# Altium PCB FINAL_PCB_VER0.PcbDoc (part 4 of 4)
Units mil, origin at the board's own origin, x right, y up, seen from the top; angles counter-clockwise.
Board outline 5316 x 3950 mil, 2 copper layers (Top Layer, Bottom Layer); 360 components, 279 nets, 1195 pads, 726 vias.
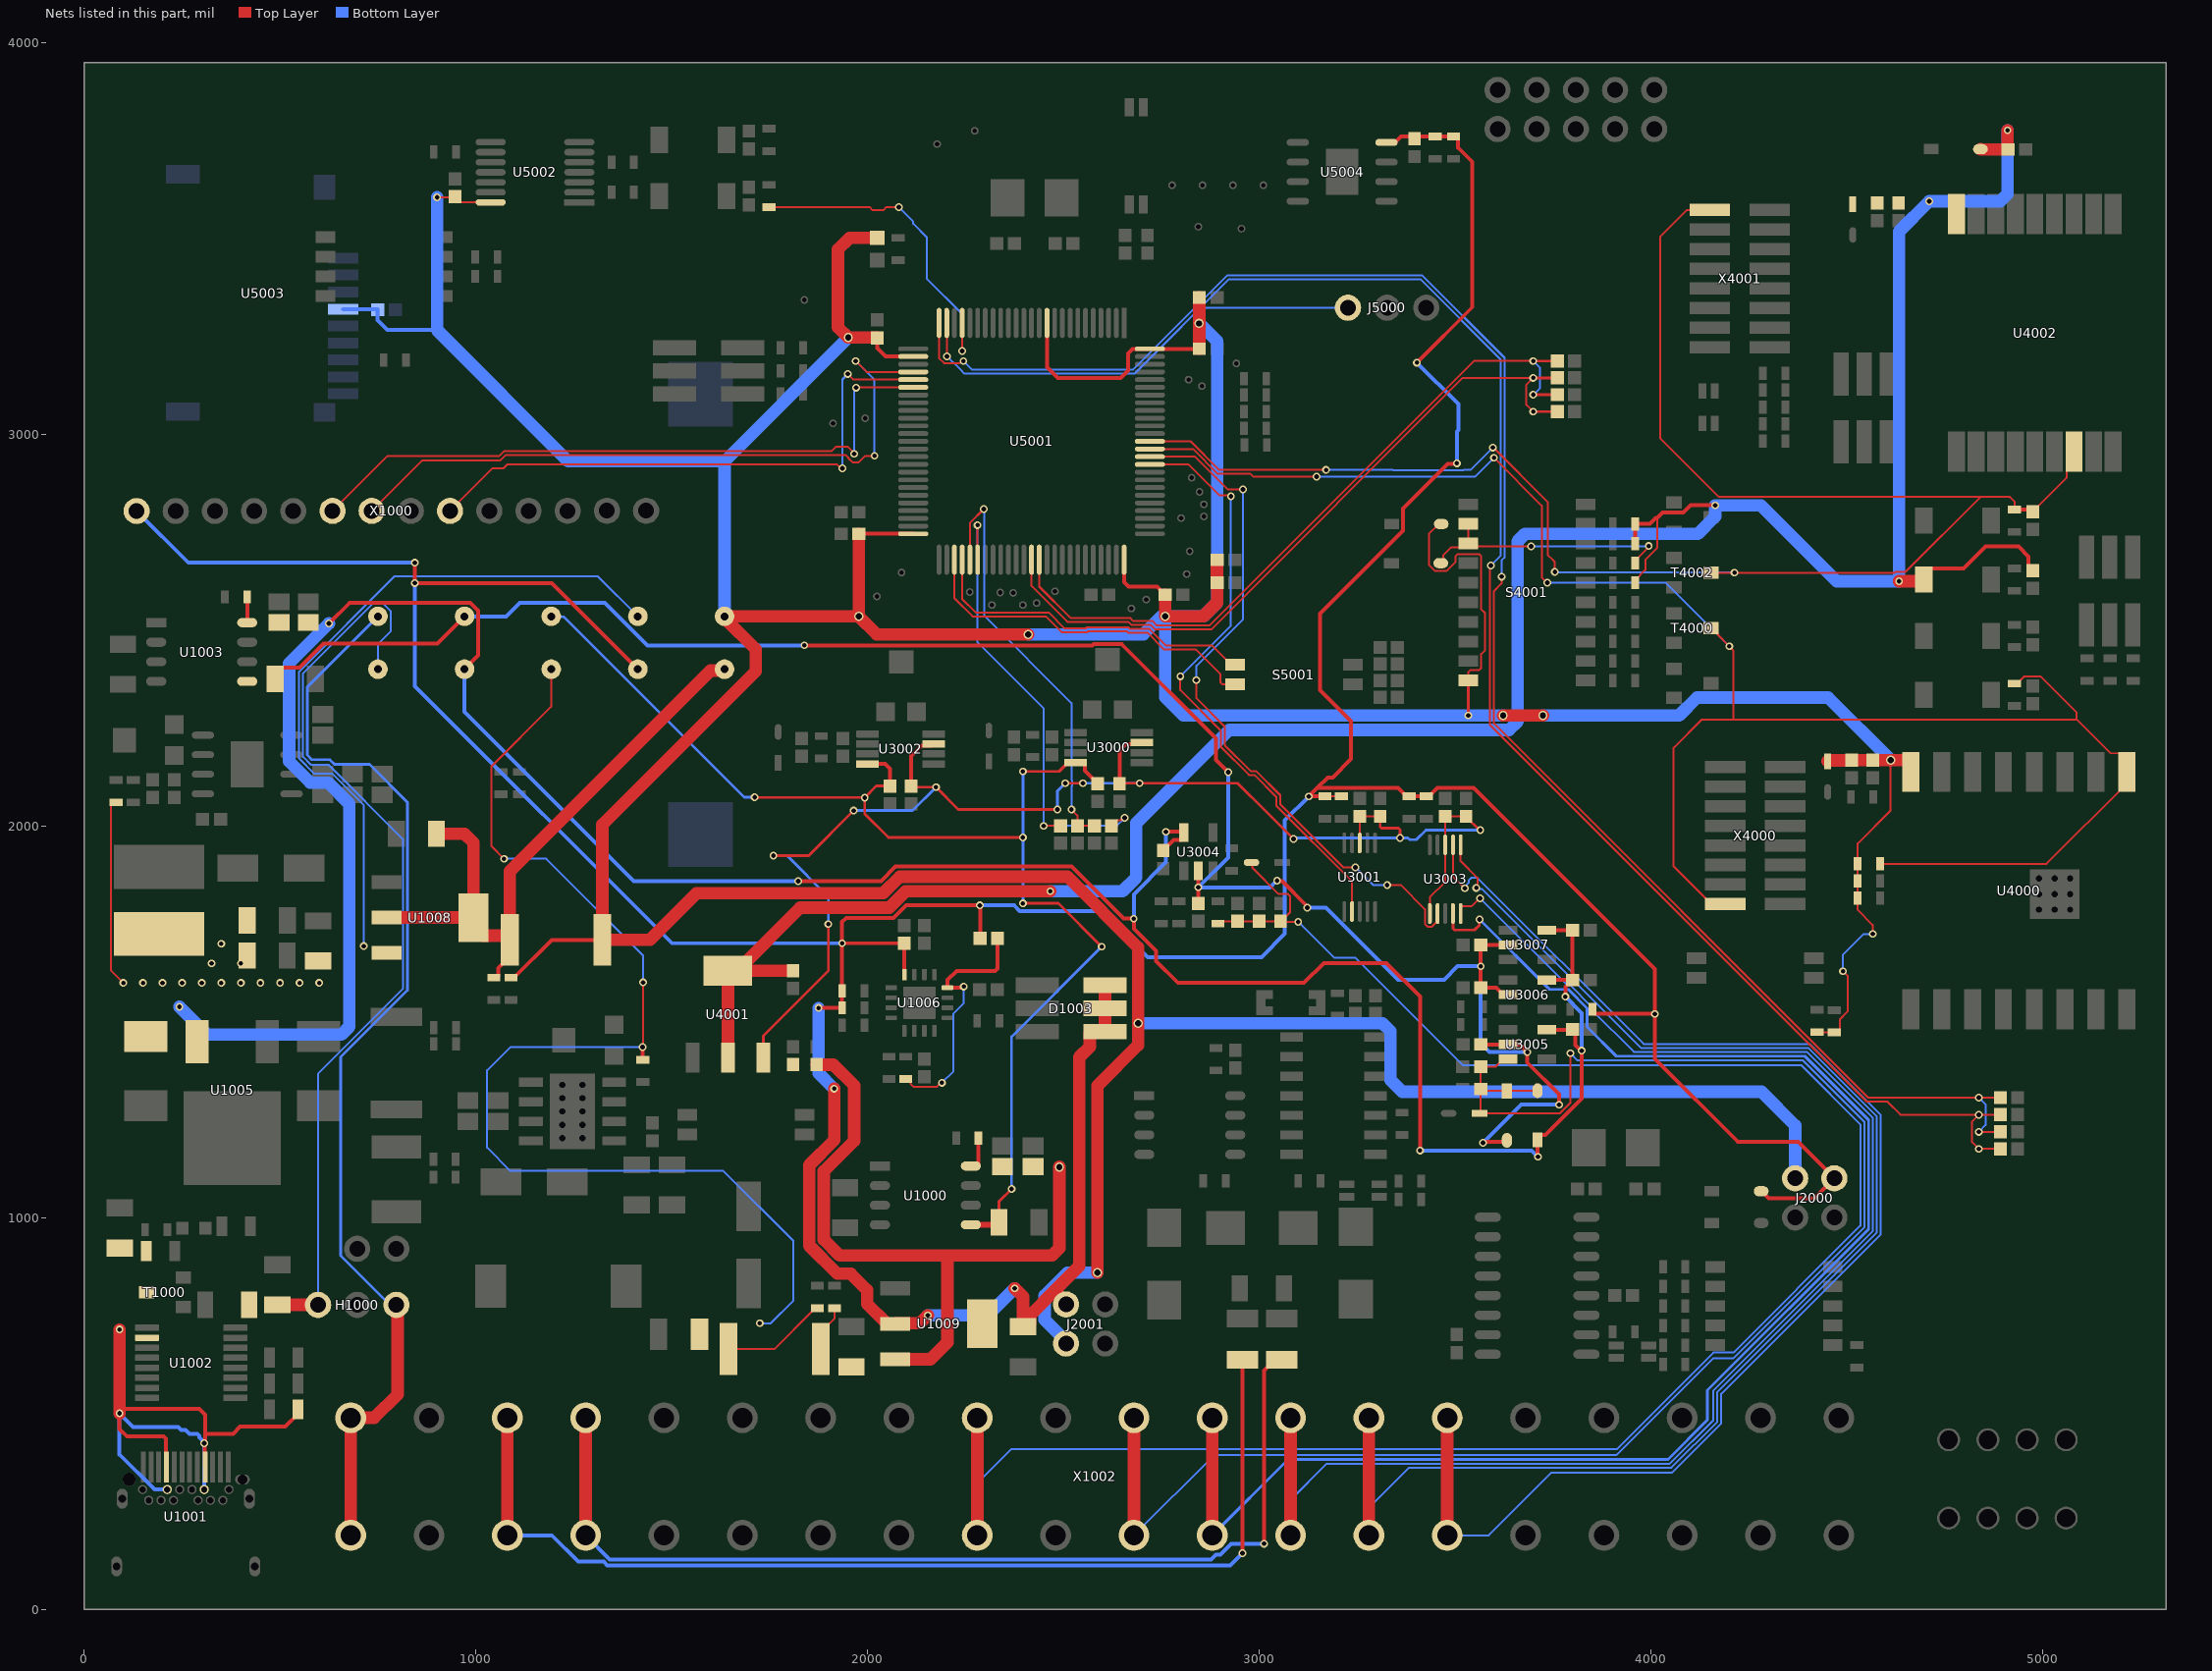
[diagram p4: the nets of this part, all layers, seen from the top]

## Via types
v1: diameter 19.68, hole 11.81, Top Layer to Bottom Layer, tented both sides, 687 vias
v2: diameter 19.68, hole 11.81, Top Layer to Bottom Layer, 18 vias
v3: diameter 23.62, hole 15.75, Top Layer to Bottom Layer, 9 vias
v4: diameter 23.62, hole 15.75, Top Layer to Bottom Layer, tented both sides, 7 vias
v5: diameter 236.22, hole 122.05, Top Layer to Bottom Layer, 3 vias
v6: diameter 31.5, hole 19.68, Top Layer to Bottom Layer, 2 vias

## Nets (pads, with @x,y where several pads share a name; then routed paths per layer and width w, separated by ;. In a path a pad name is that pad's centre, name@x,y a point inside that pad or via, vN(x,y) a via of type N, cw(c..) or ccw(c..) an arc to the next point about the centre after c; other vN are vias at no path point) (continued)
PD4: U3001.2 U5001.85 | length 1543.9
  Top Layer w5: U5001.85@2721.18,2923.94 2819.99,2923.94 2898.93,2845 2925.66,2845 v1(2928,2842.66) ; v1(2799,2383) 2799,2348 2902.5,2244.5 2902.5,2202.75 2974.25,2131 2988.25,2131 3044.13,2075.13 3044.13,2052.32 3237.31,1859.13 U3001.2@3237.31,1782.4
  Bottom Layer w5: v1(2799,2383) 2928,2512 v1(2928,2842.66)
PD5: U3003.2 U5001.86 | length 1801.3
  Top Layer w5: U5001.86@2721.18,2943.63 2836.63,2943.63 2890.26,2890 2890.78,2890 2920.78,2860 v1(2959,2860) ; v1(2840,2373) 2840,2326.86 2912.5,2254.36 2912.5,2206.89 2978.39,2141 2992.39,2141 3054.13,2079.27 3054.13,2056.47 3215.59,1895 v1(3246,1895) ; v1(3327,1850) 3361.44,1850 3423.59,1787.86 3423.59,1750.6 3430.86,1743.33 3441.15,1743.33 3451.15,1753.33 3451.96,1753.33 3455.69,1757.06 U3003.2@3455.69,1777.4
  Bottom Layer w5: v1(2840,2373) 2840,2409.86 2959,2528.86 v1(2959,2860) ; v1(3246,1895) 3291,1850 v1(3327,1850)
RESET_ESP: R4002.1 R4006.2 T4000.3 U4000.1 U5001.87 X4000.15 | length 4796.4
  Top Layer w5: U5001.87@2721.18,2963.32 2831.08,2963.32 2894.4,2900 2977.95,2900 2985.29,2892.66 v1(3147,2892.66) ; v1(3599.66,2941) 3722,2818.66 3722,2635.62 v1(3735.81,2621.81) ; T4000.3@4154,2506.33 4157.94,2506.33 4171.19,2493.09 4171.19,2489.15 v1(4200.65,2459.69) 4211,2449.33 4211,2272.79 ; X4000.15@4190.49,1801.17 4154.67,1801.17 4058.42,1897.41 4058.42,2200.26 4130.95,2272.79 4211,2272.79 ; R4002.1@4585.54,1904 5010.44,1904 5215.62,2109.17 U4000.1@5215.62,2138.7 5215.62,2168.23 5197.46,2186.38 5174.05,2186.38 5087.65,2272.79 ; R4006.2@4929,2364.25 4935.89,2364.25 4954.46,2382.81 4995.09,2382.81 5087.65,2290.26 5087.65,2272.79 ; 4211,2272.79 5087.65,2272.79
  Bottom Layer w5: v1(3147,2892.66) 3551.32,2892.66 v1(3599.66,2941) ; v1(3735.81,2621.81) 4038.52,2621.81 v1(4200.65,2459.69)
RESET_LORA: C4004.1 R4017.1 T4002.3 U4002.16 U5001.88 X4001.16 | length 4449.9
  Top Layer w5: U5001.88@2721.18,2983 2825.54,2983 2898.54,2910 v1(3171,2910) ; v1(3597,2967) 3598.18,2967 3737,2828.18 3737,2692.81 3749.93,2679.88 3755.19,2674.62 v1(3755.19,2649.81) ; X4001.16@4151.24,3573.58 4092.17,3573.58 4024,3505.41 4024,2991.56 4174.56,2841 4841.78,2841 ; T4002.3@4154,2647.67 v1(4214.02,2647.67) 4622.43,2647.67 4624.27,2649.5 4650.78,2649.5 4842.28,2841 4917,2841 ; 4917.35,2840.65 4929,2829 R4017.1@4929,2808.81 ; C4004.1@4976,2802.99 4976,2803.89 5061.85,2889.74 5061.85,2937.7 U4002.16@5081,2956.85
  Top Layer w10: R4017.1@4929,2808.81 4970.17,2808.81 C4004.1@4976,2802.99
  Bottom Layer w5: v1(3171,2910) 3341.63,2910 3342.97,2908.66 3521.18,2908.66 3522.53,2910 3540,2910 v1(3597,2967) ; v1(3755.19,2649.81) 3756.26,2648.74 4212.95,2648.74 v1(4214.02,2647.67)
RS485A: F2000.1 X1002.3 | length 2715.1
  Top Layer w10: v1(2957.5,144) F2000.1@2957.5,637.5
  Top Layer w32: X1002.3@1080.47,189.5 X1002.3@1080.47,489.5
  Bottom Layer w10: X1002.3@1080.47,189.5 1193.5,189.5 1261,122 1326.76,122 1335.76,113 2926.5,113 v1(2957.5,144)
RS485B: F2001.1 X1002.4 | length 2572.8
  Top Layer w10: v1(3013,168) 3013,610.5 3040,637.5 F2001.1@3057.5,637.5
  Top Layer w32: X1002.4@1280.47,189.5 X1002.4@1280.47,489.5
  Bottom Layer w10: X1002.4@1280.47,189.5 1341.97,128 2877.65,128 2889.78,140.13 2900.92,140.13 2928.79,168 v1(3013,168)
RXD1: D4003.1 R4016.2 S4001.2 S4001.3 | length 671
  Top Layer w5: D4003.1@3464.01,2672 3469.74,2677.72 3469.74,2691.74 3490.04,2712.04 3524.63,2712.04 S4001.3@3534.59,2722 ; S4001.2@3534.59,2772 S4001.3@3534.59,2722 ; v1(3694.66,2715) 3541.59,2715 S4001.3@3534.59,2722 ; R4016.2@3960.54,2672 3960.54,2678.89 3995,2713.34 v1(3995,2715.66)
  Bottom Layer w5: v1(3694.66,2715) 3694.99,2715.33 3994.67,2715.33 v1(3995,2715.66)
SPI1_MISO: U5001.30 X1000.9 | length 1475.1
  Top Layer w5: X1000.9@934.05,2805.26 1043.05,2914.26 1071.07,2914.26 1081.07,2924.26 1921.77,2924.26 1932.03,2914 v1(1936,2914) ; v1(1950,3155) 1964.52,3140.48 U5001.30@2116.82,3140.48
  Bottom Layer w5: v1(1936,2914) 1936,3141 v1(1950,3155)
SPI1_MOSI: U5001.31 X1000.6 | length 1725.6
  Top Layer w5: X1000.6@634.05,2805.26 774.76,2945.97 1060.35,2945.97 1071.84,2957.46 1907.71,2957.46 1919.2,2968.95 1950.13,2968.95 1966,2953.08 v1(1966,2951) ; v1(1971,3120) 1971.4,3120.4 2116.42,3120.4 U5001.31@2116.82,3120.8
  Bottom Layer w5: v1(1966,2951) 1966,3111.03 1971,3116.03 v1(1971,3120)
SPI1_SCK: U5001.29 X1000.7 | length 1778.8
  Top Layer w5: X1000.7@734.05,2805.26 863.05,2934.26 1062.78,2934.26 1075.98,2947.46 1945.01,2947.46 1952.24,2940.24 1952.24,2938.79 1962.4,2928.63 1976.77,2928.63 1994.11,2945.97 v1(2017.93,2945.97) ; v1(1970,3188) 1997.83,3160.17 U5001.29@2116.82,3160.17
  Bottom Layer w5: v1(1970,3188) 2017.93,3140.07 v1(2017.93,2945.97)
USART1_RX: S5001.1 U5001.54 | length 870
  Top Layer w5: U5001.54@2241.83,2680.82 2241.83,2580.17 2276.34,2545.66 2462.84,2545.66 2503.5,2505 2556.77,2505 2559.76,2507.99 2666.24,2507.99 2669.57,2504.66 2718.77,2504.66 2762.18,2461.25 2880.01,2461.25 2929.1,2412.15 S5001.1@2939.14,2412.15
USART1_TX: S5001.2 U5001.53 | length 922
  Top Layer w5: U5001.53@2222.15,2680.82 2222.15,2581.85 2268.34,2535.66 2455.77,2535.66 2496.43,2495 2560.91,2495 2563.9,2497.99 2662.1,2497.99 2665.43,2494.66 2714.63,2494.66 2758.04,2451.25 2838.96,2451.25 2901,2389.21 2901,2367.8 2906.64,2362.15 S5001.2@2939.14,2362.15
USART2_RX: SB5001.2 SB5003.2 U5001.25 | length 4528.5
  Top Layer w5: U5001.25@2182.78,3285.18 2182.78,3195.69 2195.82,3182.66 2235.68,3182.66 2241.03,3188 v1(2245,3188) ; v1(3619.32,2637.34) 3619,2637.03 3619,2620 3599.66,2600.66 3599.66,2262.62 4555.28,1307 v1(4838,1307) SB5001.2@4893,1307 ; v1(4838,1219.73) SB5003.2@4893,1219.73
  Bottom Layer w5: v1(2245,3188) 2267.34,3165.66 2677.63,3165.66 2886.94,3374.96 2918.97,3407 3416.07,3407 3627,3196.07 3627,2755.14 3626.66,2754.8 3626.66,2686.52 3619.32,2679.17 v1(3619.32,2637.34) ; v1(4838,1219.73) 4855.34,1237.07 4855.34,1289.66 v1(4838,1307)
USART2_TX: SB5000.2 SB5002.2 U5001.24 | length 4512.4
  Top Layer w5: U5001.24@2202.46,3285.18 2202.73,3284.92 2202.73,3200.27 v1(2203,3200) ; v1(3592,2666) 3589.66,2663.66 3589.66,2258.48 4551.13,1297 4604,1297 4637.64,1263.36 v1(4838,1263.36) ; v1(4838,1176.09) 4820.66,1193.44 4820.66,1246.02 v1(4838,1263.36) ; v1@4845.69,1176.09 SB5002.2@4893,1176.09 ; SB5000.2@4893,1263.36 v1(4838,1263.36)
  Bottom Layer w5: v1(2203,3200) 2218.67,3184.33 2219.46,3184.33 2241.33,3162.46 2241.33,3161.67 2247.34,3155.66 2681.77,3155.66 2923.11,3397 3411.93,3397 3617,3191.93 3617,2759.28 3616.66,2758.94 3616.66,2690.66 v1(3592,2666)
USART3_RX: SB5004.1 SB5007.1 U5001.56 | length 1227.3
  Top Layer w5: v1(2281,2769) 2281.1,2768.9 2281.1,2680.92 U5001.56@2281.2,2680.82 ; v1(2450,2001) SB5007.1@2493,2001 ; SB5004.1@2623,2001 2637.23,2015.23 2646.71,2015.23 2653.03,2021.55 v1(2657,2021.55)
  Bottom Layer w5: v1(2281,2769) 2281,2469.5 2450,2300.5 v1(2450,2001) 2636.45,2001 v1(2657,2021.55)
USART3_TX: SB5005.1 SB5006.1 U5001.55 | length 1096.5
  Top Layer w5: U5001.55@2261.52,2680.82 2261.52,2774.52 v1(2297,2810) ; v1(2521,2043) 2536.33,2027.67 SB5006.1@2536.33,2001 SB5005.1@2579.67,2001
  Bottom Layer w5: v1(2297,2810) 2298.34,2808.66 2298.34,2537.16 2521,2314.5 2521,2118.53 2522.34,2117.18 2522.34,2102.82 2521,2101.47 v1(2521,2043)
USART6_RX: SB5013.2 SB5015.2 U5001.64 | length 1875.6
  Top Layer w5: U5001.64@2438.69,2680.82 2438.69,2611.93 2518.61,2532 2670.51,2532 2677.86,2524.66 2727.05,2524.66 2739.21,2512.5 2873.39,2512.5 3548.89,3188 v1(3700,3188)
  Top Layer w7: v1(3700,3102) SB5013.2@3762,3102 ; v1(3700,3188) SB5015.2@3762,3188
  Bottom Layer w5: v1(3700,3102) 3717.34,3119.34 3717.34,3170.66 v1(3700,3188)
USART6_TX: SB5012.2 SB5014.2 U5001.63 | length 1884.7
  Top Layer w5: U5001.63@2419,2680.82 2419,2613.61 2510.61,2522 2666.37,2522 2673.71,2514.66 2722.91,2514.66 2735.07,2502.5 2877.54,2502.5 3520.04,3145 v1(3700,3145) 3682.66,3127.66 3682.66,3076.34 v1(3700,3059)
  Top Layer w7: v1(3700,3059) SB5012.2@3762,3059 ; v1(3700,3145) SB5014.2@3762,3145
USER_BUTTON: R5008.1 U5001.22 | length 843.8
  Top Layer w5: R5008.1@1749,3580.96 R5008.1@1749,3580.96 2005.03,3581 2013.03,3573 2040.53,3573 2048.53,3581 v1(2080,3581) ; v1(2241.87,3213.53) U5001.22@2241.85,3285.16
  Bottom Layer w5: v1(2080,3581) 2116.91,3544.09 2116.91,3538.59 2151,3504.5 2151,3398.72 2241.87,3307.84 v1(2241.87,3213.53)
VBUS: C1005.1 R1000.1 R1003.2 T1000.3 U1001.A4 U1001.A9 U1001.B4 U1001.B9 U1002.2 | length 1718.3
  Top Layer w10: U1001.A4@210.1,365.86 208.8,367.16 208.8,436.14 202.94,442 109,442 90,461 v1(90,501) 90.68,501 101.68,512 294,512 309.14,496.86 309.14,448.85 ; v1(306.56,424.64) 307.54,423.65 307.54,368.07 U1001.A9@309.14,366.47 ; v1@309.14,424.64 309.14,448.85 ; R1003.2@545.42,511 545.42,499.19 513.04,466.81 397.97,466.81 380,448.85 309.14,448.85
  Top Layer w32: v1(90,501) 90,512 v1(90,715)
  Bottom Layer w10: U1001.B9@212.07,306.41 179.92,306.41 90,396.33 v1(90,501) 125,466 240.01,466 247.82,458.19 259.26,458.19 268.61,448.85 288.56,448.85 294.42,442.99 294.42,439.4 306.56,427.26 v1(306.56,424.64) U1001.B4@306.56,306.41
VCC_0-10_A: C3012.2 C3013.2 C3014.1 R3008.1 TVS3000.2 X1002.9 | length 5293.1
  Top Layer w5: R3008.1@2895,1751.46 2901.89,1751.46 2907.72,1757.28 C3013.2@2945,1757.28 C3014.1@3000,1757.28 C3012.2@3055,1757.28 ; TVS3000.2@2980.71,1907.48 2982.67,1905.52 2982.67,1894.33 3049.89,1827.11 3074.09,1827.11 3078.91,1822.29 3078.91,1779.61 3068.48,1769.18 3065.99,1769.18 3055,1758.19 C3012.2@3055,1757.28 ; v1(3100,1756) 3056.28,1756 C3012.2@3055,1757.28
  Top Layer w32: X1002.9@2280.47,189.5 X1002.9@2280.47,489.5
  Bottom Layer w5: X1002.9@2280.47,189.5 2280.47,322.47 2367,409 3912.86,409 4160.18,656.32 4211.83,656.32 4535.5,979.99 4535.5,1238.59 4384.09,1390 3520,1390 3245.5,1664.5 3191.5,1664.5 v1(3100,1756)
VCC_3V3_LORA: B4003.2 C4007.1 C4008.1 C4009.2 C4010.1 C4011.1 D4005.1 D4007.1 R4019.2 R4020.2 R4021.2 U4001.2 U4002.9 | length 6674.1
  Top Layer w5: R4020.2@3960.54,2622 3960.54,2628.89 3986.31,2654.65 3986.31,2680.53 4017,2711.22 4017,2787
  Top Layer w10: R4019.2@3960.54,2722 R4021.2@3960.54,2772 3998.31,2772 4013.31,2787 4017,2787 4030.65,2800.65 4083.34,2800.65 4102.28,2819.59 v1(4164.97,2819.59) ; B4003.2@4697.99,2630 4697.99,2640.83 4715.63,2658.46 4799.16,2658.46 4855.5,2714.81 4939.03,2714.81 4965.01,2688.83 4965.01,2663.7 C4009.2@4976,2652.72
  Top Layer w32: U4001.2@1643.75,1408.78 U4001.2@1643.75,1631.22 U4001.2@1667.37,1631.22 ; C4007.1@1810,1631.22 U4001.2@1667.37,1631.22 ; v1(2467,1834) 2097.7,1834 2055.7,1792 1828.15,1792 U4001.2@1667.37,1631.22 ; v1(4634,2626) 4693.99,2626 B4003.2@4697.99,2630 ; D4005.1@4842.01,3729 4843.01,3728 C4008.1@4912.28,3728 ; C4008.1@4911.28,3729 v1(4911.28,3777)
  Bottom Layer w32: v1(2467,1834) 2651,1834 2686,1869 2686,2008 2924,2246 3638.48,2246 3660.16,2267.67 3660.16,2727.75 3678.9,2746.5 4120.47,2746.5 4164.97,2791 v1(4164.97,2819.59) 4281.41,2819.59 4475,2626 v1(4634,2626) 4634,3519 v1(4711,3596) 4892.39,3596 4911.13,3614.75 ; 4911.28,3614.9 v1(4911.28,3777)
VCC_3V3_REF: C1032.1 R1010.2 R1011.2 TP1000.1 U1008.2 | length 1700.4
  Top Layer w10: R1010.2@1046,1613.54 1052.89,1613.54 1057.73,1618.39 1057.73,1637.61 1086.81,1666.69 R1011.2@1086.81,1710
  Top Layer w32: U1008.2@771.78,1767 U1008.2@994.22,1767 ; C1032.1@899.21,1981 971,1981 994.22,1957.78 U1008.2@994.22,1767 ; R1011.2@1086.81,1710 R1011.2@1086.81,1714.19 ; TP1000.1@1635,2401.05 1631.56,2397.6 1599.6,2397.6 1086.81,1884.81 R1011.2@1086.81,1714.19 ; U1008.2@994.22,1767 994.22,1743.38 1016.61,1720.99 1080.01,1720.99 R1011.2@1086.81,1714.19
VCC_3V3_REF_A: B5000.1 C4002.1 C4003.1 C5000.1 C5001.1 C5002.1 C5003.1 C5004.1 C5005.1 C5006.1 C5015.1 C5017.1 D4000.1 D4002.1 J2000.2 J2001.2 J5000.3 R1011.1 R1012.2 R4001.2 R4002.2 R4003.2 R4004.2 R4005.2 S4001.10 TP1008.1 U4000.8 U5001.11 U5001.27 U5001.50 U5001.75 U5001.100 U5002.14 U5003.4 | length 16988.6
  Top Layer w5: v1(901,3606) 945.72,3606 C5017.1@947,3607.28 947,3606.76 960.49,3593.28 U5002.14@1037.8,3593.28 ; D4000.1@3465.01,2772 3459.2,2772 3433.66,2746.45 3433.66,2667.49 3449.7,2651.46 3478.33,2651.46 3502.09,2675.22 3502.09,2690.06 3506.48,2694.46 3562.7,2694.46 3567.09,2690.06 3567.09,2554.21 3577.09,2544.21 3577.09,2449.79 3567.09,2439.79 3567.09,2403.93 3562.35,2399.19 3539.33,2399.19 3534.59,2394.46 S4001.10@3534.59,2372 ; R4005.2@4425,1474.46 4426,1473.46 R4004.2@4469,1473.46 4475.89,1473.46 4483.23,1480.8 4483.23,1507.59 4503,1527.36 4503,1618 v1(4491,1630) ; v1(4567,1725) 4567,1748 4528.46,1786.54 R4001.2@4528.46,1817 R4003.2@4528.46,1860.5 R4002.2@4528.46,1904 4528.46,1955.99 4612.85,2040.39 v4(4612.85,2169.12)
  Top Layer w7: v1(3534.45,2283) 3534.45,2371.86 S4001.10@3534.59,2372
  Top Layer w10: R1012.2@1090,1613.54 1096.89,1613.54 1193.35,1710 R1011.1@1323.19,1710 ; C5000.1@1977.72,2746.78 U5001.50@2116.82,2746.78 ; C5001.1@2025,3247.01 2025,3221 2046.02,3199.98 2116.38,3199.98 U5001.27@2116.82,3199.54 ; U5001.11@2458.37,3285.18 2458.81,3284.74 2458.81,3172.19 2486,3145 2646.96,3145 2665.06,3163.1 2665.06,3207.06 2677.22,3219.22 U5001.100@2721.18,3219.22 C5003.1@2847.28,3219.22 ; U5001.75@2655.22,2680.82 2655.22,2623.78 2667,2612 2739.01,2612 2748.39,2602.62 2748.39,2601.99 2759.38,2591 C5002.1@2760.01,2591
  Top Layer w32: C5000.1@1977.72,2746.78 v3(1977.72,2536.05) ; C5001.1@2025,3247.28 2025,3247.99 v3(1951,3248) 1925,3274 1925,3473 1954.54,3502.54 B5000.1@2025,3502.54 ; v3(2410.15,2490) 2023.76,2490 v3(1977.72,2536.05) ; v4(2587.16,860) 2587.16,1337.16 2691,1441 2691,1691 2511,1871 2082.37,1871 2040.37,1829 1564,1829 1445,1710 R1011.1@1323.19,1710 1323.19,2004.19 1715,2396 1715,2451.18 1635,2531.18 TP1008.1@1635,2536.05 v3(1977.72,2536.05) ; C5002.1@2760.28,2591 2760.01,2591 v3(2760,2536) 2858,2536 2893,2571 2893,2621.98 C5005.1@2892.72,2622 ; C5003.1@2847.28,3219.22 2847.28,3283.72 v3(2847,3284) 2847.28,3284.28 C5004.1@2847.28,3350 ; C5005.1@2892.72,2622 C5006.1@2892.72,2680 ; v4(3623.16,2283) v4(3724.77,2283) ; D4002.1@4451.92,2166.08 4454.06,2168.22 C4003.1@4512.9,2168.22 ; C4003.1@4512.92,2168.24 C4003.1@4512.92,2169.12 C4002.1@4566.92,2169.12 v4(4612.85,2169.12) 4658.78,2169.12 4664.44,2163.46 U4000.8@4664.44,2138.7
  Bottom Layer w5: v3(2847,3284) 2847,3306.74 2864.26,3324 J5000.3@3227,3324 ; v1(4491,1630) 4491,1672.1 4543.9,1725 v1(4567,1725)
  Bottom Layer w10: U5003.4@661.21,3320.74 748.45,3320.74 748.45,3292.23 773.68,3267 901,3267
  Bottom Layer w32: v1(901,3606) 901,3267 1236,2932 1635,2932 ; TP1008.1@1635,2536.05 1635,2932 ; v3(1951,3248) 1635,2932 ; v3(2410.15,2490) 2704.62,2490 2750.62,2536 v3(2760,2536) ; J2001.2@2507,679 2507,685.28 2452.54,739.74 2452.54,801.56 2510.98,860 v4(2587.16,860) ; v4(2691,1497) 3315.02,1497 3335.77,1476.25 3335.77,1351.75 3365.52,1322 4283,1322 4369,1236 J2000.2@4369,1101.11 ; v3(2847,3284) 2847.89,3284 2893,3238.89 2893,2571 2858,2536 v3(2760,2536) ; v4(3623.16,2283) v1(3534.45,2283) 2807,2283 2760,2330 v3(2760,2536) ; v4(3724.77,2283) 4072.57,2283 4118.48,2328.91 4453.05,2328.91 v4(4612.85,2169.12)
VCC_10-10: C3017.1 C3018.1 D3002.1 D3003.2 TVS3001.1 U3005.3 X1002.11 | length 4299.5
  Top Layer w5: U3005.3@3635.59,1405.6 3623.39,1405.6 3603.79,1386 C3018.1@3565.72,1386 C3017.1@3565.72,1329 ; D3002.1@3711,1325.01 3634,1325.01 D3003.2@3633,1324.01 3570.71,1324.01 C3017.1@3565.72,1329 ; v1(3795,1420.31) 3795,1293.47 3768.53,1267 TVS3001.1@3562.68,1267 3565.72,1270.03 C3017.1@3565.72,1329
  Top Layer w32: X1002.11@2680.47,189.5 X1002.11@2680.47,489.5
  Bottom Layer w5: X1002.11@2680.47,189.5 2884.97,394 3912,394 4159.32,641.32 4210.97,641.32 4545.5,975.85 4545.5,1245.56 4389.06,1402 3813.31,1402 v1(3795,1420.31)
VCC_+3V3: C1023.1 C1024.1 C1031.1 L1001.2 R1024.1 TP1001.1 U1008.3 | length 2287.2
  Top Layer w5: R1024.1@81.13,2060.93 75.42,2060.93 68.08,2053.59 68.08,1631.92 v1(100,1600)
  Bottom Layer w5: v1(714,1694) 714,2053.41 632.51,2134.9 586.96,2134.9 548.66,2173.2 548.66,2394.81 792.19,2638.34 1311.46,2638.34 TP1001.1@1413.75,2536.05
  other v1: 150,1600 200,1600 250,1600 300,1600 350,1600 400,1600 450,1600 500,1600 550,1600 600,1600 325,1650 400,1650 350,1700
VCC_+5_REF_A: C1020.1 C1034.1 C5016.1 D1003.1 D1003.3 D1003.5 D2005.1 J2000.4 J2001.4 R1027.1 R1028.1 R3000.2 R3001.2 R3004.2 R3005.2 R3010.1 R5030.1 R5031.1 SB1000.2 TP1009.1 U1006.4 U1009.2 U5004.8 X1000.1 | length 12319.3
  Top Layer w5: R3000.2@3168,2076.54 R3001.2@3210,2076.54
  Top Layer w10: v1(844,2673) v1(844,2621) 1193.8,2621 TP1009.1@1413.75,2401.05 ; v1(1875,1536) 1934.66,1536 R1028.1@1935.29,1536.63 v1(1935.29,1701.27) ; U1006.4@2094.19,1621.27 C1020.1@2094.19,1701.27 v1(1935.29,1701.27) ; SB1000.2@2288,1714 2288,1797 v1(2287,1798) 2098.47,1798 2066.47,1766 1946,1766 1935.29,1755.29 v1(1935.29,1701.27) ; v1(3127,2076) v1@3127.27,2076.27 ; R3000.2@3168,2076.54 3167.73,2076.27 v1@3127.27,2076.27 ; U5004.8@3325.28,3746 3347.05,3746 3362.37,3761.31 R5031.1@3496.7,3761.31 3503.59,3761.31 3508.43,3756.47 3508.43,3733.21 3544.84,3696.8 3544.84,3325.84 v1(3403,3184) ; v1(3505,2927) 3503.15,2925.15 3482,2925.15 3367.84,2810.99 3367.84,2754.81 3155.9,2542.87 3155.9,2346.9 3234.84,2267.95 3234.84,2171.78 3187.88,2124.82 3175.82,2124.82 3148.61,2097.61 ; R3010.1@3851.54,1525.71 3856.39,1520.87 3931.31,1520.87 v1(4010.72,1520.87) ; D2005.1@4282,1068 4283.46,1068 4295.32,1056.13 4295.32,1055.86 4301.18,1050 4417.89,1050 J2000.4@4469,1101.11 4376.11,1194 4223,1194 4010.72,1406.28 v1(4010.72,1520.87) ; v1@3127.27,2076.27 3148.61,2097.61 ; 3148.61,2097.61 3355.42,2097.61 3376.49,2076.54 3434.27,2076.54 3448.18,2090.45 3448.18,2090.54 3455.25,2097.61 3548.51,2097.61 4010.72,1635.4 v1(4010.72,1520.87)
  Top Layer w32: v1(1915,1330) 1915,1198.33 1851.41,1134.74 1851.41,929.06 1923.09,857.39 1957.61,857.39 1999,816 1999,780.56 U1009.2@2048.39,731.17 ; U1009.2@2070.78,729.45 2072.5,731.16 2134.16,731.16 v1(2154,751) ; v1(2376,820) 2397,799 C1034.1@2397,722.21 2408.84,722.21 2414.59,727.96 2414.59,750.59 2477.79,813.79 ; J2001.4@2507,779 2507,784.59 2477.79,813.79 ; D1003.1@2606.61,1594.06 D1003.3@2606.61,1535 D1003.5@2606.61,1475.94 2571.18,1475.94 2567.5,1472.26 2567.5,1436.83 2541,1410.33 2541,877 2477.79,813.79
  Bottom Layer w10: X1000.1@133.67,2804.98 265.65,2673 v1(844,2673) ; v1(844,2621) 844,2358 1500.73,1701.27 v1(1935.29,1701.27) ; v1(2287,1798) 2374.1,1798 2388.78,1783.32 2598.68,1783.32 2716,1666 3006,1666 3065.84,1725.84 3065.84,2014.84 v1(3127,2076) ; v1(3403,3184) 3508.84,3078.16 3508.84,3011.9 3505,3008.06 v1(3505,2927)
  Bottom Layer w32: v1(1875,1536) 1875,1370 v1(1915,1330) ; v1(2154,751) 2307,751 v1(2376,820)
VCC_+5V5: F1001.2 R1009.1 R1021.2 R1023.2 TP1004.1 | length 3318
  Top Layer w5: v1(1072,1917) 1039.77,1949.23 1039.77,2152.45 1192.5,2305.18 TP1004.1@1192.5,2401.05 ; v1(1426,1436) 1426.5,1436.5 1426.5,1600.84 v1(1427,1601.34) ; R1023.2@1644.81,665 1762,665 1858.77,761.77 1858.77,763.11 1865.11,769.46 R1021.2@1872,769.46
  Top Layer w10: v1(1426,1436) 1426,1404.49 R1009.1@1426.65,1403.84
  Bottom Layer w5: v1(1072,1917) 1179.67,1917 1427,1669.67 v1(1427,1601.34) ; v1(1426,1436) 1088,1436 1028.69,1376.69 1028.69,1179.62 1088.31,1120 1632,1120 1811,941 1811,789 1753,731 v1(1725,731)
VCC_+5V5_REF: C1000.1 C1001.1 C1033.1 C3002.1 C3004.1 C3005.1 C3008.1 C3010.1 C3011.1 C4005.1 C4006.1 R1001.2 R1023.1 R1025.2 U1000.8 U1009.3 U3000.7 U3001.8 U3002.7 U3003.1 U3003.8 U4001.3 | length 5654.9
  Top Layer w5: R1023.1@1881.19,665 1881.19,708.31 1916,743.12 R1025.2@1916,769.46 ; U3001.8@3257,1957.6 C3004.1@3257,2025.28 C3005.1@3309,2025.28 ; U3003.1@3436.01,1777.4 3436.01,1818.66 3475.38,1858.03 U3003.8@3475.38,1952.6 C3011.1@3475.38,2025.28 C3010.1@3528.38,2025.28
  Top Layer w7: U4001.3@1734.3,1408.78 1734.3,1465.19 1900,1630.89 v1(1900,1750) ; v1(1760,1925) 1850,1925 v1(1965,2040) ; C3008.1@2111.64,2102.72 2114.36,2100 v1(2175,2100) 2232,2043 v1(2485,2043) ; v1(2505,2110) v1(2550,2110) ; C3002.1@2643.86,2108.72 2645.14,2110 v1(2695,2110) 2945.47,2110 3017.65,2037.82 v1(3087.74,1967.74) ; C3005.1@3309,2025.28 3309,1999.1 3313.1,1995 3355.9,1995 3360,1990.9 v1(3360,1970) ; C3010.1@3528.38,2025.28 3528.38,2024.38 3562.76,1990 v1(3565,1990)
  Top Layer w10: C3008.1@2111.64,2102.72 2111.64,2179.17 2138.26,2205.79 2165.2,2205.79 U3002.7@2169.65,2210.23 ; U1000.8@2264,1132.41 2283.54,1132.41 R1001.2@2283.54,1203.41 ; C3002.1@2643.86,2108.72 2643.86,2193.86 2659.35,2209.35 2696.2,2209.35 U3000.7@2700.65,2213.8
  Top Layer w32: C4006.1@1870,1391.16 1912.84,1391.16 1966,1338 1966,1197 1888.41,1119.41 1888.41,944.39 1928.8,904 2204,904 ; U1009.3@2070.78,638.9 2160.9,638.9 2204,682 2204,904 ; v3(2490,1130) 2490,922.75 2471.25,904 2204,904
  Bottom Layer w7: v1(1760,1925) 1795,1925 1900,1820 v1(1900,1750) ; v1(1965,2040) 2115,2040 v1(2175,2100) ; v1(2485,2043) 2485,2090 v1(2505,2110) ; v1(2550,2110) v1(2695,2110) ; v1(3087.74,1967.74) 3090,1970 v1(3360,1970) 3380.34,1970 3384.69,1965.66 3401.6,1965.66 3425.94,1990 v1(3565,1990)
VCC_+12: C1006.1 C1007.1 C1011.2 C3015.1 C3019.1 C3021.1 C3023.1 D3002.2 R1006.2 TP1005.1 U1003.8 U1005.3 U3004.5 U3005.5 U3006.5 U3007.5 | length 7232.5
  Top Layer w10: R1006.2@416.09,2585.63 R1006.2@416.09,2585.63 U1003.8@416.14,2520 ; v1(624.71,2517.71) 678.05,2571.05 985.75,2571.05 1006.25,2550.55 1006.25,2436.05 TP1005.1@971.25,2401.05 ; v1(1823,1859.84) 2034.44,1859.84 2071.6,1897 2521.77,1897 2654.77,1764 v1(2680,1764) 2680,1738.77 2737.32,1681.45 2737.32,1655.62 2792.78,1600.16 3114.75,1600.16 3165.59,1651 3325,1651 3411,1565 v1(3411,1172) ; C3015.1@2755,1937.72 2755,1938.62 2781.97,1965.59 2800.98,1965.59 2807.6,1972.2 U3004.5@2807.6,1984.41 2806.01,1986 v1(2762,1986) ; v1(3712.07,1155.92) 3711.54,1156.45 3711.54,1198.46 D3002.2@3711,1198.99 3711,1203.91 3719.04,1211.95 3731.15,1211.95 3824,1304.8 v1(3824,1427) 3821.38,1427 3807.36,1441.02 3807.36,1474.33 C3019.1@3800.28,1481.4 3799.28,1480.4 U3005.5@3734.41,1480.4 ; U3006.5@3734.41,1607.4 C3021.1@3799.38,1607.4 ; U3007.5@3734.41,1734.4 C3023.1@3800.28,1734.4 C3021.1@3800.28,1607.4 C3021.1@3799.38,1607.4 ; v1(3782,1565) 3782.72,1565.72 3782.72,1589.84 3788.39,1595.51 3788.39,1596.42 C3021.1@3799.38,1607.4
  Bottom Layer w10: TP1005.1@971.25,2401.05 971.25,2291.75 1403.16,1859.84 v1(1823,1859.84) ; v1(2680,1764) 2680,1826.23 2762,1908.23 v1(2762,1986) ; v1(3411,1172) 3695.99,1172 v1(3712.07,1155.92) ; v1(3782,1565) 3824,1523 v1(3824,1427)
  Bottom Layer w32: v1(243,1539) 314,1468 657,1468 677,1488 677,2057.18 622.78,2111.4 577.22,2111.4 523,2165.62 523,2416 v1(624.71,2517.71)
VCC_-5V5: C1003.1 C3003.1 C3009.1 TP1007.1 U1000.5 U3000.4 U3002.4 | length 3348.7
  Top Layer w7: v1(1712,2074) 1712.5,2073.5 1992.5,2073.5 v1(1993,2073) ; C3009.1@2057.64,2102.72 2022.72,2102.72 v1(1993,2073) ; C1003.1@2335.79,988.52 2335.79,1041.79 v1(2368,1074) ; v1(2397,1803.16) 2487.4,1803.16 v1(2598.17,1692.38) ; v1(2397,1971.58) 2053.42,1971.58 1993,2032 v1(1993,2073) ; v1(2397,2140) 2489.25,2140 2511.87,2162.61 U3000.4@2531.35,2162.61 U3000.4@2541.1,2162.61
  Top Layer w10: U3002.4@2000.35,2159.05 2044.98,2159.05 2057.64,2146.4 C3009.1@2057.64,2102.72 ; U3000.4@2541.1,2162.61 2550.84,2162.61 2555.29,2158.17 2555.29,2142.19 2587.86,2109.62 C3003.1@2587.86,2108.72
  Top Layer w15: U1000.5@2264,982.41 2329.69,982.41 C1003.1@2335.79,988.52
  Bottom Layer w7: TP1007.1@1192.5,2536.05 1193.45,2535.1 1223.9,2535.1 1685,2074 v1(1712,2074) ; v1(2368,1074) 2368,1462.21 v1(2598.17,1692.38) ; v1(2397,1803.16) v1(2397,1971.58) v1(2397,2140)
VCC_-12: C1009.1 C3016.1 C3020.1 C3022.1 C3024.1 D3003.1 TP1006.1 U1003.5 U3004.2 U3005.2 U3006.2 U3007.2 | length 5167
  Top Layer w10: C1009.1@487.79,2376.1 487.79,2387.94 504.53,2404.69 549.33,2404.69 611.18,2466.54 901.74,2466.54 TP1006.1@971.25,2536.05 ; v1(1839,2462) 2573.87,2462 2577.36,2465.49 2648.64,2465.49 2890,2224.13 2890,2169.34 v1(2921,2138.34) ; C3016.1@2845,1802.72 v1(2845,1844.15) U3004.2@2845,1885.59 ; v1(3046,1861) 3047.63,1859.37 3059.51,1859.37 3121.15,1797.73 3121.15,1793.85 v1(3123,1792) ; C3020.1@3566.01,1443 3600.8,1443 U3005.2@3635.59,1443 3665.31,1443 v1(3685,1423.31) 3685,1396.66 3766,1315.66 v1(3766,1289) ; v1(3572,1191.84) 3573.85,1193.7 3628.7,1193.7 D3003.1@3633,1197.99 ; U3006.2@3635.59,1570 3623.39,1570 3605.39,1588 C3022.1@3566.01,1588 v1(3566.01,1642.5) C3024.1@3566.01,1697 U3007.2@3635.59,1697
  Bottom Layer w10: TP1006.1@971.25,2536.05 1077.04,2536.05 1112.04,2571.05 1329.25,2571.05 1438.3,2462 v1(1839,2462) ; v1(2921,2138.34) 2921,1920.15 v1(2845,1844.15) 2845.08,1844.08 3027.79,1844.08 3044.71,1861 v1(3046,1861) ; v1(3123,1792) 3171.01,1792 3355.1,1607.91 3472.49,1607.91 3507.08,1642.5 v1(3566.01,1642.5) 3566.01,1444.99 3587.69,1423.31 v1(3685,1423.31) ; v1(3572,1191.84) 3669.16,1289 v1(3766,1289)
VCC_TERMINAL: H1000.3 TP1003.1 X1002.1 | length 2828
  Top Layer w32: X1002.1@680.47,189.5 X1002.1@680.47,489.5 740.5,489.5 800,549 H1000.3@800,775 ; H1000.3@797,777 H1000.3@797,778
  Bottom Layer w7: TP1003.1@750,2536.05 569.66,2355.71 569.66,2181.9 581.67,2169.89 627.22,2169.89 639.24,2157.88 728.68,2157.88 825.5,2061.05 825.5,1581.15 655.04,1410.68 655.04,903.62 769.19,789.47 785.53,789.47 H1000.3@797,778
VCC_TYPE-C: C1004.1 H1000.1 R1002.2 TP1002.1 | length 2406.3
  Top Layer w32: C1004.1@493,778 H1000.1@597,778
  Bottom Layer w5: H1000.1@597,778 597,1368.2 814,1585.2 814,1967.56 624.68,2156.88 579.12,2156.88 558.66,2177.34 558.66,2390.67 736.54,2568.55 763.46,2568.55 782.5,2549.51 782.5,2497.62 750,2465.12 TP1002.1@750,2401.05
VOL_IN_ADC_0: U3003.4 X1002.12 | length 3984
  Top Layer w7: U3003.4@3495.06,1777.4 3495.06,1739.1 3499.16,1735 3550,1735 3562.62,1747.62 3562.62,1761.62 v1(3563,1762)
  Top Layer w32: X1002.12@2880.47,189.5 X1002.12@2880.47,489.5
  Bottom Layer w7: X1002.12@2880.47,189.5 3073.97,383 4044,383 4145,484 4145,559.79 4556.5,971.29 4556.5,1250.12 4393.62,1413 3912,1413 3837.5,1487.5 3837.5,1535.44 3789.6,1583.34 3741.66,1583.34 v1(3563,1762)
VOL_IN_ADC_1: U3003.5 X1002.13 | length 3809.3
  Top Layer w5: U3003.5@3514.75,1777.4 3514.75,1794.24 3516.06,1795.56 3542.56,1795.56 3562.73,1815.73 v1(3564.47,1815.73)
  Top Layer w32: X1002.13@3080.47,189.5 X1002.13@3080.47,489.5
  Bottom Layer w5: X1002.13@3080.47,189.5 3080.47,279.47 3173,372 4048.56,372 4160,483.44 4160,559.24 4567.5,966.74 4567.5,1254.67 4398.17,1424 3957,1424 3848.5,1532.5 3848.5,1540 3794.15,1594.34 3786.66,1594.34 3565.28,1815.73 v1(3564.47,1815.73)
VOL_IN_ADC_2: U3003.6 X1002.14 | length 3692.6
  Top Layer w5: U3003.6@3514.75,1952.6 3514.75,1911.21 3557.56,1868.4 3557.56,1845.56 v1(3554.59,1842.59)
  Top Layer w32: X1002.14@3280.47,189.5 X1002.14@3280.47,489.5
  Bottom Layer w5: X1002.14@3280.47,189.5 3280.47,259.47 3383,362 4052.7,362 4170,479.3 4170,555.1 4577.5,962.6 4577.5,1258.81 4402.31,1434 3974.93,1434 3569.52,1839.41 3557.77,1839.41 v1(3554.59,1842.59)
VOL_IN_ADC_3: U3003.7 X1002.15 | length 3528
  Top Layer w5: U3003.7@3495.06,1952.6 3495.06,1871.94 v1(3525.33,1841.67)
  Top Layer w32: X1002.15@3480.47,189.5 X1002.15@3480.47,489.5
  Bottom Layer w5: X1002.15@3480.47,189.5 3586.4,189.5 3745.9,349 4053.84,349 4180,475.16 4180,550.95 4587.5,958.45 4587.5,1262.96 4406.46,1444 3981.9,1444 3557.49,1868.41 3541.7,1868.41 3535.21,1861.93 3535.21,1855.52 3525.33,1845.64 v1(3525.33,1841.67)
VPU: R1013.2 SB1000.1 U1006.16 | length 656.8
  Top Layer w5: R1013.2@2097.58,1354.76 2104.47,1354.76 2110.81,1348.42 2110.81,1341.53 2117.14,1335.2 2177.59,1335.2 2187.39,1345 v1(2190,1345)
  Top Layer w10: v1(2246,1590.69) 2243.38,1590.69 2240.5,1587.81 U1006.16@2204.43,1587.81 2204.43,1607.49 2227.94,1631 2326.14,1631 2332,1636.86 SB1000.1@2332,1714
  Bottom Layer w5: v1(2190,1345) 2219.59,1374.59 2219.59,1521.63 2246,1548.04 v1(2246,1590.69)
pads on no net: S4001.1 S4001.20 U1000.6 U1000.7 U1001. U1001.A2 U1001.A3 U1001.A8 U1001.A10 U1001.A11 U1001.B2 U1001.B3 U1001.B8 U1001.B10 U1001.B11 U1001.SH1 U1001.SH2 U1001.SH3 U1001.SH4 U1002.3 U1002.4 U1002.6 U1002.7 U1002.8 U1002.9 U1002.10 U1002.14 U1002.15 U1003.6 U1003.7 U1004.2 U1004.3 U1006.17@2110.16,1527 U1006.17@2110.16,1571.84 U1006.17@2155,1527 U1006.17@2155,1571.84 U2002.9 U2002.10 U2002.11 U2002.12 U2002.15 U4002.18 U5003.1 U5003.8 U5003.CD U5004.9 VR1000.3 VR1001.3 VR3000.3 VR3001.3
copper on no net:
  other v1: 232.08,3167.99 232.08,3482.16
  other v2: 3190.44,3627.69 3233.74,3627.69 3190.44,3671 3233.74,3671 3190.44,3714.31 3233.74,3714.31

## Polygon pours and split planes (outlines as drawn)
GND on Top Layer "GND_L01_P008" (solid, pour order 8): 0,0 5316,0 5316,3950 0,3950
GND on Top Layer "GND_L01_P000" (solid, pour order 0): 2408,3285 2408,3356.43 2375,3380 2290,3380 2290,3719.73 2640,3719.73 2640,3875 2745,3875 2745,3430 2745,3375 2615,3375 2565,3375 2534.32,3343.36 2525.98,3335.02 2525.98,3285 2491,3285
GND on Top Layer "GND_L01_P003" (solid, pour order 3): 2725,1710 2725,2020 3105,2020 3105,1710
GND on Top Layer "GND_L01_P002" (solid, pour order 2): 1815,2095 1735,2095 1735,2280 2015,2280 2015,2455 2160,2455 2160,2275 2535,2275 2535,2470 2690,2470 2690,2275 2775,2275 2775,2128 1815,2128
GND on Top Layer "GND_L01_P004" (solid, pour order 4): 3770,1125 3770,1350 3900,1350 3900,1775 3590,1775 3590,1725 3485,1725 3485,1350 3460,1350 3460,1125
GND on Top Layer "GND_L01_P001" (solid, pour order 1): 3930.1,921.64 3995,991.54 3995,1040 4040,1040 4040,1265 3775,1265 3775,1070 3775,922.39
GND on Bottom Layer "GND_L02_P007" (solid, pour order 7): 0,0 5316,0 5316,3950 0,3950

## Keep-outs
Keep-Out Layer:
  the board outline again, w5

## Other copper
Top Layer:
  region net VCC_+12: 650,2498.59 650,2541.9 380,2541.9 380,2498.59
  region net VCC_-12: 509.53,2342.52 509.53,2409.69 453.74,2409.69 453.74,2395 380,2395 380,2342.52
  region net VCC_+5V5_REF: 1891.65,1370.33 1891.65,1408.05 1716.58,1408.05 1716.58,1370.33
  region net NetR1017_1: 1865,1198.04 1815,1198.04 1815,1277.96 1865,1277.96
  region net VCC_+5V5_REF: 2510,1145 2510,1117 2502,1109.38 2238.33,1109.38 2238.33,1152.69 2500,1152.69
  region net VCC_+5_REF_A: 2254.83,791.46 2254.83,667.44 2430.59,667.44 2430.59,791.46
  region net VCC_+5V5_REF: 2109.17,656.61 2109.17,598.04 1858.39,598.04 1858.39,656.61
  region net NetC1010_1: 1000,655 1156,655.02 1156,999.01 1121,999 1121.01,1168.64 1175,1168.64 1175,1216.02 1000,1216.02 973.92,1191 973.92,690
  region net NetC1014_1: 1365,1059 1585,1059 1604,1040 1604,933 1633,904 1745,904 1766,885 1766,790 1750,768.22 1517,768.22 1517,655 1337,655 1337,1036.77
  region net NetD1000_1: 365.36,953 365.36,1004 290.02,1004 290.02,953
  region net NetD1000_2: 266.22,950 266.22,989.39 202.69,989.39 202.69,950
  region net MAIN_POW_IN: 952.96,1268.18 952.96,1224.87 1180,1224.87 1180,1268.18
  region net MAIN_POW_IN: 852,2111.72 866,2125.72 866,2150 850,2166 492,2166 492,2111.72
  region net NetC1022_1: 319.3,1952.47 319,2062 350,2062 350,2102 280,2102 260,2084 260,2035 91,2035 75.58,2018 75.58,1840.27 444.65,1840.27 444.65,1952.47
  region net VCC_+3V3: 75.58,1794 437.87,1794 437.87,1621 563.41,1621 563.41,1705 819,1705 819,1603 795,1582 100,1582 75.58,1607
  region net VCC_+12: 317.53,1394.78 317.53,1547 302,1566 115,1566 101.88,1553 101.88,1394.78
  region net MAIN_POW_IN: 863.11,1490.39 863.11,1536 450,1536 430,1518 430,1385 863.11,1385
  region net MAIN_POW_RAW: 859.99,1151.83 859.99,1299.61 734.01,1299.61 734.01,1151.83
  region net VCC_TYPE-C: 400.43,811.46 400.43,744.54 535,745 535,811.46
  region net NetR1000_2: 217.81,940.59 245.37,940.59 329.57,940.59 329.41,728.43 426.74,728.43 426.74,710 351,710 351,714 307,714 288,728.43 288,831.65 217.81,831.65 217.81,869.06 217.81,889.41
  region net VBUS: 188.9,685.91 188.9,702.05 122.04,702.05 122.04,794.25 178.44,794.25 178.44,825.75 178.44,944.53 51,944.53 51,685.91
  region net VCC_+5V5: 1524,587 1524,744.1 1743,744.1 1743,587
  region net VCC_3V3_LORA: 4803,3573.82 4486,3573.82 4486,3615 4803,3615
Bottom Layer:
  region net NetC1014_1: 1365,1059 1585,1059 1604,1040 1604,933 1633,904 1745,904 1766,885 1766,790 1750,768.22 1517,768.22 1517,655 1337,655 1337,1036.77
  region net VCC_+3V3: 75.58,1794 437.87,1794 437.87,1622 640,1622 640,1582 100,1582 75.58,1607
  region net NetC1010_1: 1000,655 1155,655.02 1155,999.01 1121,999 1121.01,1084 973.92,1084 973.92,690
  region net NetC1022_1: 319.3,1952.47 319,2062 350,2062 350,2102 280,2102 260,2084 260,2035 91,2035 75.58,2018 75.58,1840.27 444.65,1840.27 444.65,1952.47

## Silkscreen, mask and mechanical layers (free items; w line width, h text height)
Top Overlay:
  drawing of 379 lines, arcs and shapes, not listed
  text "EEPROM" at 3143,3896.46 h60
  text "GND" at 4092.08,3872.4 h40
  text "GND" at 4192.08,3872.4 h40
  text "GND" at 4292.08,3872.4 h40
  text "SWCLK" at 4373.77,3872.4 h40
  text "SWDIO" at 4473.56,3872.4 h40
  text "JTDI" at 4284.49,3772.51 h40
  text "JTRST" at 4074.42,3772.4 h40
  text "JTDO" at 4183.52,3772.4 h40
  text "SWCLK" at 4373.77,3772.4 h40
  text "SWDIO" at 4473.56,3772.4 h40
  text "B RST MCU" at 1778,3736.34 h75
  text "DEBUG MAIN INTERFACE" at 3560,3657.46 h60
  text "B USR MCU" at 1778,3593.34 h75
  text "RST" at 3758,3569.58 h60
  text "ADC1" at 3907.76,3569.66 h60
  text "ON <-> OFF" at 636,3566.46 h60
  text "IO2" at 3758,3527.19 h60
  text "ADC0" at 3907.76,3527.19 h60
  text "DN1_EN" at 343,3492.71 h60
  text "IO14" at 3758,3484.19 h60
  text "DAC" at 3907.76,3484.17 h60
  text "DIFF_PAIR 90OHM" at 7.08,3446.38 h40
  text "DN2_EN" at 343,3442.56 h60
  text "IO15" at 3758,3441.19 h60
  text "CLK" at 3907.76,3441.17 h60
  text "RXD" at 3758,3398.17 h60
  text "NSS" at 3907.76,3398.19 h60
  text "DP1_EN" at 343,3392.7 h60
  text "BOOT 0" at 3199,3385.97 h100
  text "TXD" at 3758,3355.17 h60
  text "SWCLK" at 3907.76,3355.19 h60
  text "DP2_EN" at 343,3342.53 h60
  text "USB PORT INPUT SEL" at 953,3341.46 h60
  text "LP-RX" at 3758,3312.17 h60
  text "SWDIO" at 3907.76,3312.19 h60
  text "USER LED" at 1447,3287.46 h60
  text "GND" at 3758,3269.19 h60
  text "3V3" at 3907.76,3269.15 h60
  text "VCC" at 3186.5,3224.42 h60
  text "GND" at 3386.56,3224.42 h60
  text "DEFAULT: SB5014 SB5015" at 3263.95,3144.43 h40
  text "REVERSE: SB5012 SB5013" at 3263.95,3087.65 h40
  text "LCD CONNECTOR" at 513.9,2992.69 h90
  text "TIRQ" at 1396.94,2913.97 h40
  text "VCC" at 106.7,2911.13 h40
  text "GND" at 206.75,2911.13 h40
  text "CS" at 316.77,2911.13 h40
  text "RST" at 407.72,2911.13 h40
  text "DC" at 516.94,2911.13 h40
  text "MOSI" at 598.08,2911.13 h40
  text "SCK" at 707.16,2911.13 h40
  text "VLED" at 796.86,2911.13 h40
  text "MISO" at 897.11,2911.13 h40
  text "TCLK" at 997.6,2911.13 h40
  text "TCS" at 1107.37,2911.13 h40
  text "TDIN" at 1197.92,2911.13 h40
  text "TDO" at 1306.76,2911.13 h40
  text "N/A" at 2988,2884.52 h60
  text "LLPUART RX" at 2988,2840.46 h60
  text "LRXD" at 2988,2797.17 h60
  text "LORA_RST" at 4229,2761.18 h100
  text "CH340RX" at 2988,2754.19 h60
  text "CH340TX" at 2988,2711.19 h60
  text "LCH340DTR#" at 2988,2668.19 h60
  text "ALL PW TEST POINT" at 710,2640.46 h60
  text "LCH340RTS#" at 2988,2625.19 h60
  text "LORA_BOOT" at 4229,2610.92 h100
  text "-12V" at 55,2610 h80
  text "LCH340RTS#" at 2988,2582.19 h60
  text "LCH340DTR#" at 2988,2539.19 h60
  text "ESP EN" at 2988,2496.19 h60
  text "ESP_BOOT" at 4229,2466.89 h100
  text "4-20mA" at 2225,2350.69 h90
  text "ESP_RESET" at 4229,2316.62 h100
  text "DEFAULT: SB5010 SB5011" at 2909.77,2266.67 h60
  text "VU3002O" at 2805.3,2260 h40 r270
  text "REVERSE: SB5008 SB5009" at 2909.77,2209.9 h60
  text "UART CONNECTION EN" at 2879.7,2160 h40 r90
  text "3V3" at 3777.25,2155.53 h60
  text "GND" at 3937,2155.58 h60
  text "IO13" at 3777.25,2112.58 h60
  text "IO15" at 3937,2112.58 h60
  text "IO12" at 3777.25,2069.58 h60
  text "IO2" at 3937,2069.58 h60
  text "VU3002O" at 2165,2030.3 h40
  text "IO14" at 3777.25,2026.58 h60
  text "IO0" at 3937,2026.58 h60
  text "RS485" at 1944.69,2008.21 h55 r270
  text "IO16" at 3777.25,1983.58 h60
  text "IO4" at 3937,1983.58 h60
  text "0 - 10V" at 2950,1981.49 h50
  text "3V3_B_C" at 398.89,1976.03 h80
  text "REVERSE: SB5004 SB5005" at 2000,1950.3 h40
  text "EN" at 3777.25,1940.56 h60
  text "IO5" at 3937,1940.58 h60
  text "DEFAULT: SB5006 SB5007" at 2000,1918.3 h40
  text "ADC" at 3777.25,1897.56 h60
  text "RXD" at 3937,1897.56 h60
  text "!" at 3361.69,1870.46 h60
  text "RST" at 3777.25,1854.58 h60
  text "TXD" at 3937,1854.56 h60
  text "!" at 3136.69,1745.46 h60
  text "LORA_3V3_PS" at 1510,1720.23 h60
  text "3V3_REF" at 825.5,1591.38 h60
  text "ON <-> OFF" at 4057.9,1502.58 h60
  text "ESP-CH340-TX" at 4057.9,1463.58 h60
  text "ESP-CH340-RX" at 4057.9,1424.58 h60
  text "R_EN" at 891.06,1378.85 h60
  text "INA3221" at 2229.78,1355.46 h60
  text "ON <-> OFF" at 1563.86,1325.58 h60
  text "POWER MONITORING" at 2229.78,1323.5 h40
  text "LOGIC SEL" at 4297.11,1289.48 h60
  text "3V3" at 4348.59,1277 h75 r270
  text "5V" at 4448.88,1277 h75 r270
  text "V_3V3_EN" at 1902.96,1256.23 h60
  text "-5V" at 2442,1246.5 h60
  text "V_5V5_EN" at 1902.96,1201.23 h60
  text "DEFAULT: SB5002 SB5003" at 4731.29,1101.42 h40
  text "REVERSE: SB5000 SB5001" at 4731.29,1044.64 h40
  text "ENABLE" at 900,1000 h100 r270
  text "5V" at 2510,935.13 h75
  text "3V3" at 2509.06,889.74 h75
  text "5V_REF_A" at 2257,887.23 h60
  text "<-DN2" at 4506,855.42 h60
  text "<-DN1" at 4506,805.42 h60
  text "<-DP2" at 4506,755.42 h60
  text "<-DP1" at 4506,705.42 h60
  text "TYPE-C" at 470,689.42 h60
  text "<->" at 661,689 h60
  text "TERMINAL" at 744,687 h60
  text "<-3V3 UART" at 4585,655.46 h60
  text "LOGIC SEL" at 2663.38,625.08 h60
  text "USB <-> UART" at 3448.47,619 h70 r90
  text "ON <-> OFF" at 4222,590.3 h40
  text "-> UART" at 3126,577.73 h75
  text "RS485 <-" at 2640,575.73 h75
  text "GND" at 4929,564 h60
  text "USB-C INPUT" at 105.76,450.46 h60
Bottom Overlay:
  text "NGUYEN HUY HOANG" at 3805,3164 h60
  text "FINAL_PROJECT_BOARD" at 3805,3059.5 h60
  text "1911198" at 3805,2965 h60
  text "CH340" at 3890.46,2435 h60 r270
  text "VCC" at 760.44,577 h60
  text "GND" at 960.44,577 h60
  text "485A" at 1153.78,577 h40
  text "485B" at 1353.78,577 h40
  text "CI1+" at 1547.12,577 h40
  text "CI1-" at 1747.12,577 h40
  text "CI2+" at 1950.45,577 h40
  text "CI2-" at 2150.45,577 h40
  text "V010A" at 2370.44,577 h40
  text "GND" at 2533.79,577 h40
  text "V1010" at 2767.11,577 h40
  text "VI0" at 2930.45,577 h40
  text "VI1" at 3123.79,577 h40
  text "VI2" at 3330.45,577 h40
  text "VI3" at 3530.45,577 h40
  text "TX" at 3713.79,577 h40
  text "RX" at 3913.79,577 h40
  text "DI1" at 4123.79,577 h40
  text "DI2" at 4330.45,577 h40
  text "DI3" at 4530.45,577 h40
  text "SCL" at 4799.98,511.46 h60
  text "SDA" at 4901.61,511.46 h60
  text "SPECIAL THANKS TO NGUYEN TRUNG HIEU" at 5220,115.46 h60
  text "FROM HOANGNG WITH LUV" at 5220,65.46 h60

## Text inside footprints (layer, text, board x,y; h text height)
S2001: Top Overlay "ON" at 4252.01,643.5 h35 r90; Top Component Outline "ON" at 4252.01,643.5 h35 r90
U5003: Bottom Overlay "SD CARD" at 137.17,2982.17 h60 r180; Bottom Overlay "SD CARD" at 417.08,3172.08 h60 r270